# Altium PCB PCB_Vega.PcbDoc (part 2 of 2)
Units mil, origin at the board's own origin, x right, y up, seen from the top; angles counter-clockwise.
Board outline 3630 x 3944 mil, 2 copper layers (Top Layer, Bottom Layer); 154 components, 98 nets, 540 pads, 592 vias.
Unrouted connection lines stored in the file: 2.
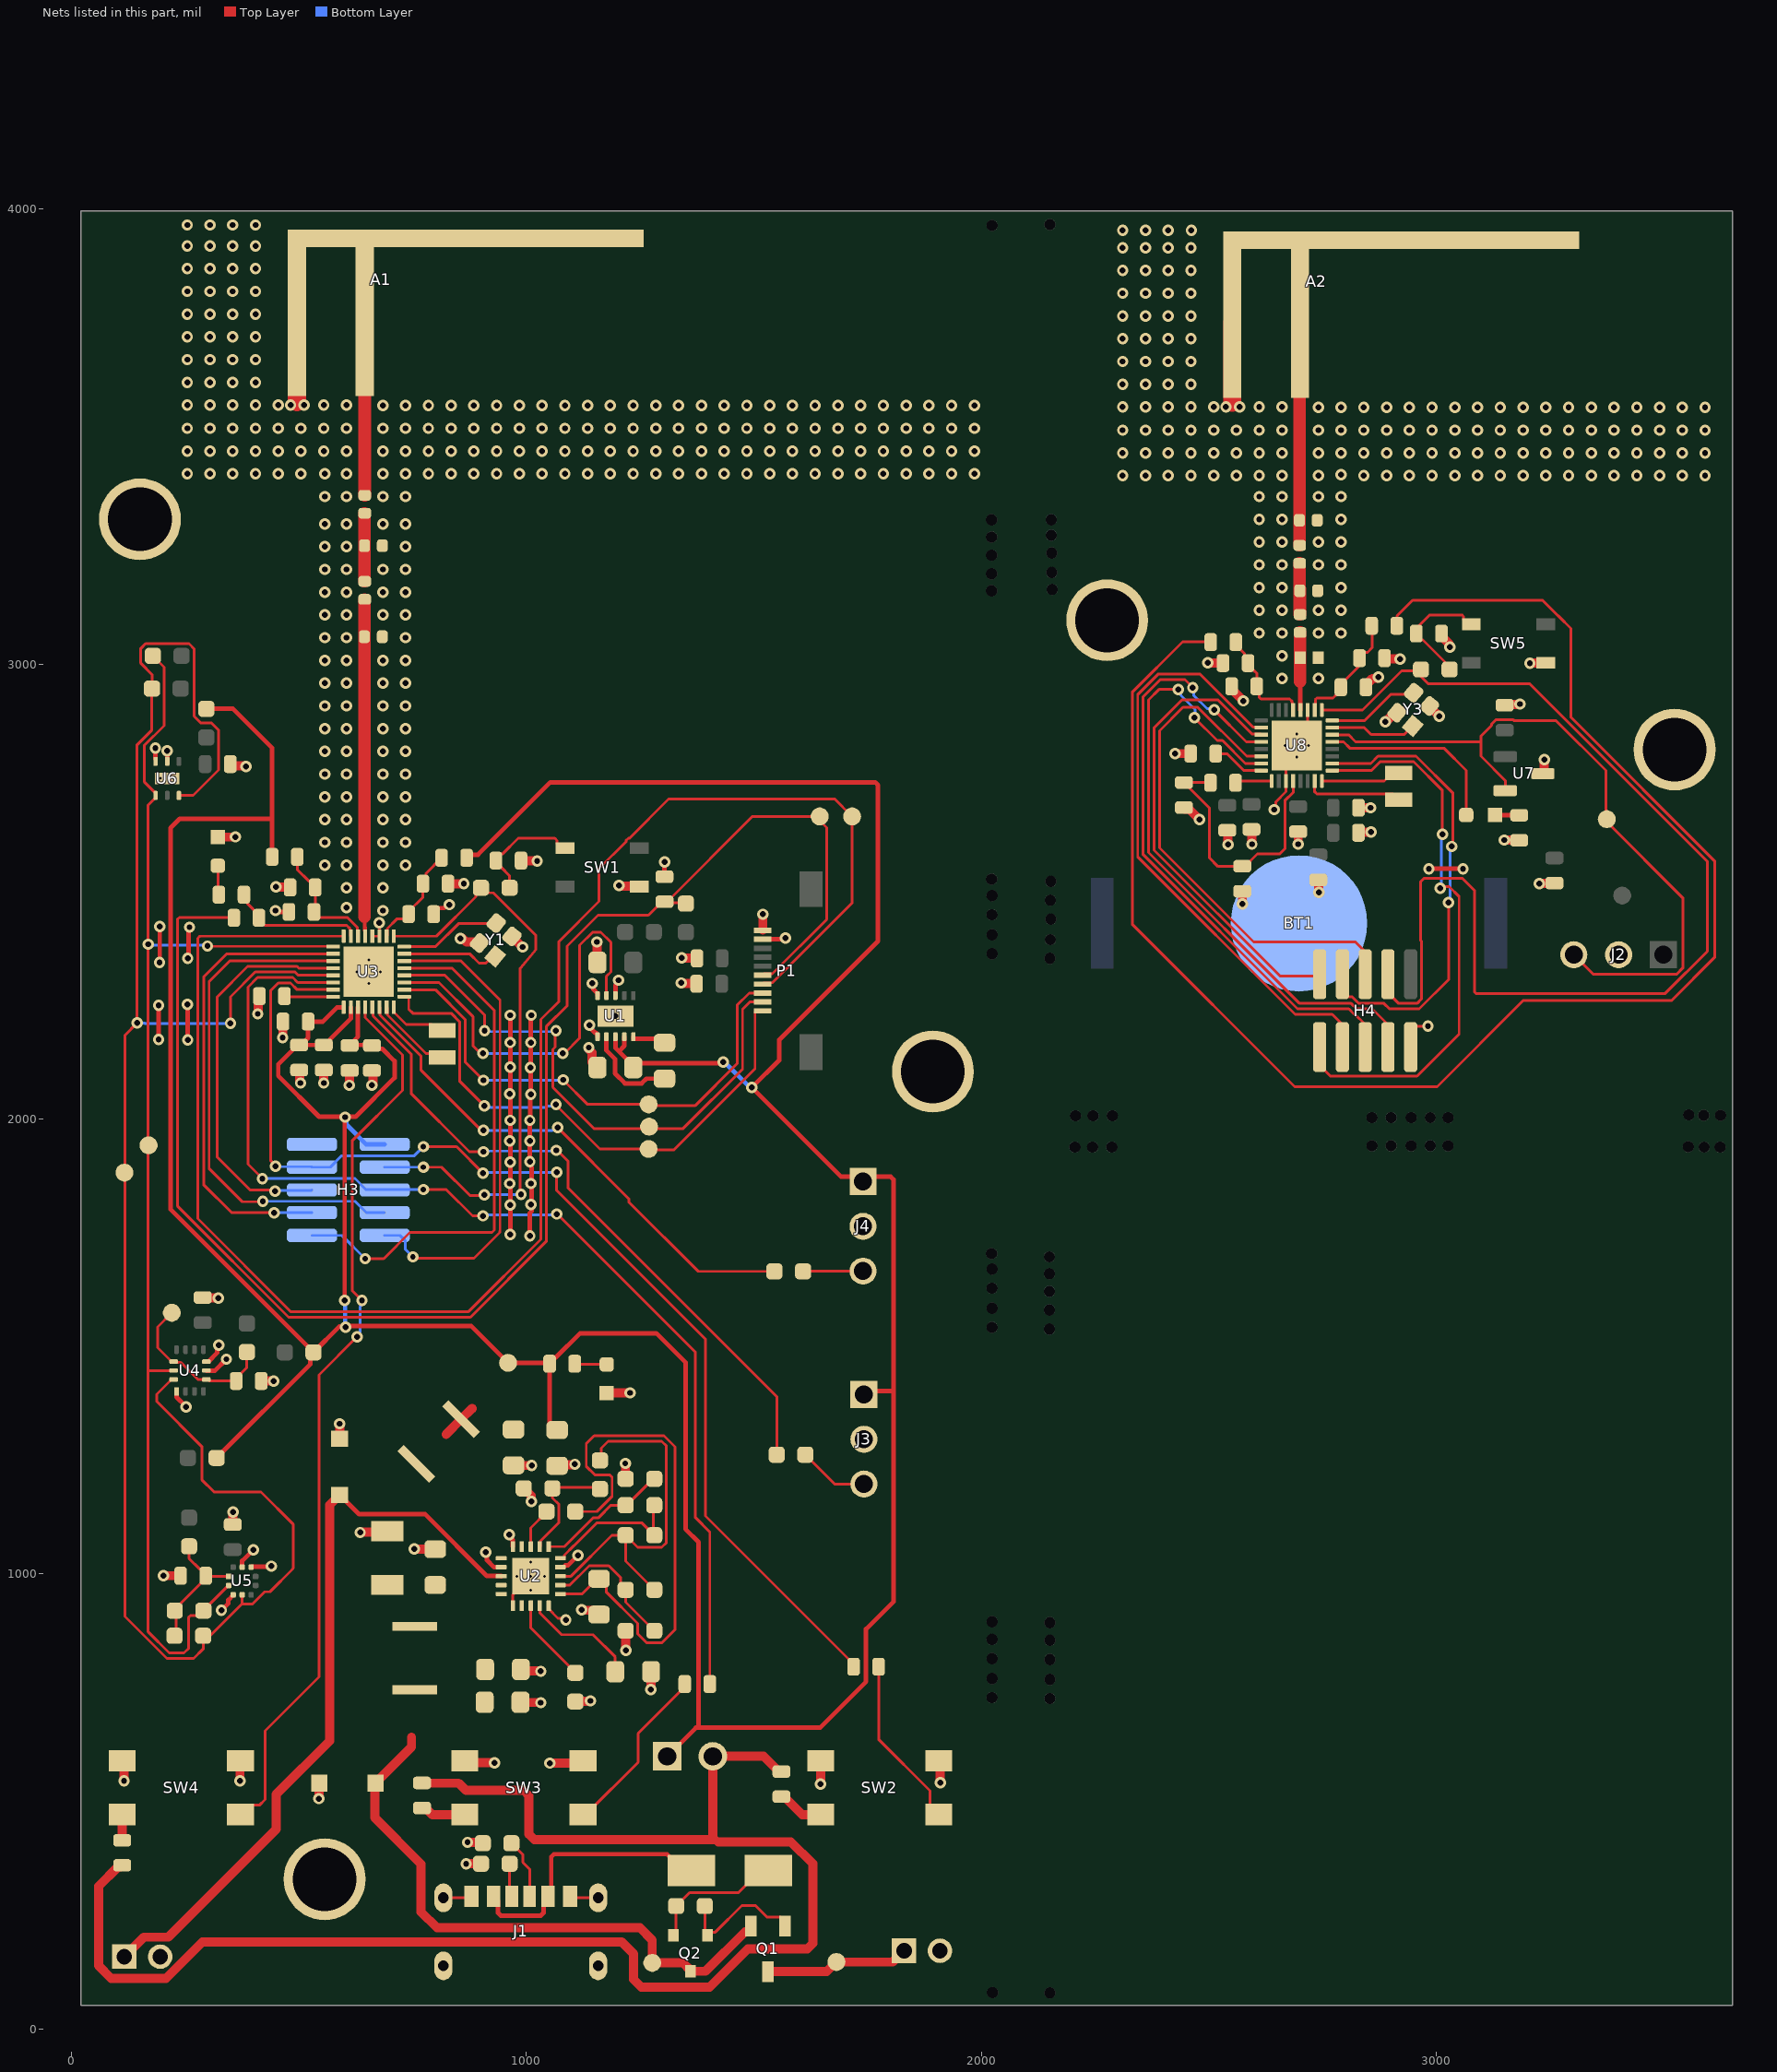
[diagram p2: the nets of this part, all layers, seen from the top]

## Via types
v1: diameter 25, hole 13, Top Layer to Bottom Layer, tented both sides, 571 vias
v2: diameter 10, hole 6, Top Layer to Bottom Layer, tented both sides, 13 vias
v3: diameter 25, hole 12, Top Layer to Bottom Layer, tented both sides, 6 vias
v4: diameter 9.84, hole 5.91, Top Layer to Bottom Layer, tented both sides, 2 vias

## Nets (pads, with @x,y where several pads share a name; then routed paths per layer and width w, separated by ;. In a path a pad name is that pad's centre, name@x,y a point inside that pad or via, vN(x,y) a via of type N, cw(c..) or ccw(c..) an arc to the next point about the centre after c; other vN are vias at no path point) (continued)
GND: A1.GND A2.GND BT1.N C1.1 C2.1 C4.1 C5.1 C6.1 C7.1 C8.1 C9.1 C10.1 C11.2 C12.2 C13.2 C14.2 C15.2 C16.2 C17.2 C18.2 C19.2 C20.2 C21.2 C22.2 C23.2 C24.2 C25.1 C26.2 C27.1 C28.2 C29.1 C30.1 C31.1 C32.1 C33.1 C34.2 C35.2 C36.2 C37.2 C38.2 C39.2 C41.2 C42.2 C43.1 C44.1 C45.2 C46.2 C47.2 C48.2 C49.2 C50.2 C51.2 D2.2 D3.2 H1.2 H2.2 H3.2 H4.2 H5.1 H6.1 H7.1 H8.1 H10.1 J1.A12 J1.B12 J1.S1 J1.S2 J1.S3 J1.S4 J2.2 J3.2 J4.2 LED2.C LED3.C P1.9 P1.10 R2.2 R3.2 R4.1 R10.2 R11.2 R12.2 R27.1 R32.2 SW1.4 SW2.3 SW2.4 SW3.3 SW3.4 SW4.3 SW4.4 SW5.4 U1.3 U1.5 U1.6 U1.11 U2.1 U2.5 U2.9 U2.15 U2.17 U2.21 U3.11 U3.12 U3.33 U4.1 U4.6 U4.7 U5.3 U5.8 U5.9 U6.2 U6.3 U6.7 U7.3 U8.11 U8.27 U8.33 Y1.2 Y1.4 Y3.2 Y3.4 | length 5608.4
  Top Layer w6: U3.33@653.85,2323.63 U3.33@661.72,2331.5 ; U3.12@661.72,2401.78 677,2401.78 677.32,2402.1 677.32,2431.06 v1(677.17,2431.21) ; J1.S1@817.92,288.11 876.58,288.11 J1.B12@879.73,291.26 ; U2.1@970.63,930.08 970.63,954.17 972.65,956.19 972.65,957.68 U2.21@987.91,972.95 ; U2.5@1049.37,930.04 1049.37,922.95 1069.69,902.64 1083.36,902.64 v1(1087,899) ; J1.A12@1096.27,291.26 1099.42,288.11 J1.S2@1158.08,288.11 ; C39.2@2444.56,2683.44 C39.2@2445.56,2684.44 ; C38.2@2573,2499.44 C38.2@2574,2500.44 ; v1(2644,2680) 2647.64,2683.64 2647.64,2696.76 2670.06,2719.19 U8.27@2670.06,2742.7 2670.06,2797.23 U8.33@2693.68,2820.85 ; v1@2659.84,3216 v1@2660.5,3215.34 ; v1@2660.84,3265 v1@2661,3265.16 ; v1@2661,3314.84 v1@2661.16,3315 ; v1@2663,3017.32 v1@2664.32,3016 ; U8.11@2718.64,2900.33 U8.11@2717.31,2899 2717.31,2848.41 U8.33@2719.27,2846.44 ; C44.1@2738.84,3160 C44.1@2739.5,3159.34 ; H4.2@2944,2158 2944,2192.2 2955.18,2203.38 2981.38,2203.38 v1(2982,2204) ; C51.2@3259.28,2517.72 C51.2@3260,2518.44
  Top Layer w10: SW4.4@112.08,589.06 SW4.4@116,585.13 ; v1(185,2815) 185.33,2814.67 U6.3@185.33,2790.84 ; v1(192,2175) v1(192,2250) ; v1(194,2344) 194.5,2344.5 v1(194.5,2423) ; U6.2@211,2786 v1(211,2809) ; U4.1@231.47,1401.23 231.47,1388.41 252,1367.88 v1(252,1367) ; v1(255.68,2251.5) 255.84,2251.34 255.84,2173.69 v1@255.75,2173.6 ; v1(256,2353) 258,2355 258,2419.5 v1(260,2421.5) ; U4.6@296.93,1447 316,1447 v1(341,1472) ; U4.7@296.93,1466.68 301.35,1466.68 320.36,1485.7 320.36,1499.36 v1(324,1503) ; v1(330,920) 345.2,935.2 345.2,942.69 356,953.49 U5.3@356,953.98 ; SW4.3@371,588.13 SW4.3@371.92,589.06 ; U5.9@375.68,1015 375.68,1028.68 v1(400,1053) ; U5.8@395.37,1015 396.37,1016 439,1016 v1(440,1017) ; v1(449,2458) 451.87,2455.13 477.31,2455.13 C18.2@480.44,2452 ; C20.2@501,2107.44 C20.2@502.5,2105.94 ; v1@502.5,2080.5 v1(504,2079) ; C24.2@606,2107.44 C24.2@611.5,2101.94 ; v1(611,2074) v1@611.5,2074.5 ; C23.2@655,2107.44 C23.2@663,2099.44 ; v1(661,2074) v1@663,2076 ; C16.2@796.56,2450 796.56,2455.62 804.46,2463.52 819.46,2463.52 826.94,2471 v1(831,2471) ; SW3.4@865.08,589.06 SW3.4@869.13,585 ; v1(911,1048) 913.87,1045.13 913.87,1030.13 929.28,1014.72 U2.17@945.04,1014.72 ; v1(963,1086) 963,1081.94 970.35,1074.59 970.35,1066.81 970.63,1066.54 U2.15@970.63,1060 ; v1@964.5,1746.5 965,1747 v1(965,1811) v1(965,1905) v1@965,1996 ; v1(965,1997) v1(965,2114) v1(965,2168) v1(965,2228) ; v1(1008,1743) 1008,1793.4 1012,1797.4 1012,1810.5 v1(1010.5,1812) ; v1(1008,1997) v1@1009,1996 ; v1(1010.5,1858) 1012,1856.5 v1@1012,1812 ; v1(1011,2228) 1009.5,2226.5 1009.5,2054 1009,2053.5 v1@1009,1996 ; v1@1012,1858 1012,1893.17 1008,1897.17 v1(1008,1906) v1(1008,1952) 1008,1990.07 1010.93,1993 1012,1993 v1@1009,1996 ; U2.9@1081.77,1015 1085.46,1018.69 1091.67,1018.69 v1(1113.49,1040.51) ; SW3.3@1119.87,584 SW3.3@1124.92,589.06 ; v1@1137.55,2152.91 v1(1137.55,2156.97) ; v1(1138.86,2206) 1141.73,2203.13 1141.73,2198.89 1151.25,2189.38 1152.74,2189.38 1156.63,2185.49 U1.6@1156.63,2180.72 ; C2.1@1144.93,2124.7 C2.1@1156.63,2113 ; v1(1145,2298) 1147.87,2295.13 1147.87,2284.8 1156.63,2276.04 U1.5@1156.63,2271.28 U1.5@1156.71,2271.2 ; v1(1155,2389) v1@1155.82,2388.18 ; C1.1@1155.82,2344.81 C1.1@1156.63,2344 ; U1.11@1180.25,2226 v1(1196,2226) ; U1.3@1196,2271.28 1196,2293.94 1203,2300.94 v1(1203,2305) ; R10.2@1218.5,1209 R10.2@1219.25,1209.75 ; C30.1@1304,2532.56 v1(1304,2565) ; v1(1341,2299) v1@1342,2298 ; v1(1342,2354) v1@1342.5,2353.5 ; C31.1@1373.44,2298 C31.1@1374.44,2297 ; C32.1@1374.5,2353.5 C32.1@1375,2354 ; P1.9@1519.54,2394.9 1562.84,2394.9 1563.07,2395.13 1563.13,2395.13 v1@1570,2402 ; P1.10@1519.54,2414.58 P1.10@1520,2415.04 ; SW2.4@1647,588.98 SW2.4@1647.08,589.06 ; SW2.3@1906.92,589.06 SW2.3@1910,585.98 ; v1(2498,3003) v1@2498.5,3002.5 ; C36.2@2530.94,3002.5 C36.2@2531.44,3002 ; C41.2@2541,2634.44 C41.2@2542,2633.44 ; v1@2542,2604 v1(2543,2603) ; C37.2@2550.44,2944.83 C37.2@2550.44,2951 ; v1(2576,2919) v1@2576,2919.27 ; C42.2@2594,2636.44 C42.2@2594.5,2635.94 ; v1@2594.5,2604.5 v1(2595,2604) ; C35.2@2845.56,2949 C35.2@2845.56,2953.88 ; v1@2870.13,2968.13 v1(2873,2971) ; C34.2@2886.56,3013 C34.2@2888.56,3011 ; v1(2984,2550) v1(3059,2550) ; C33.1@3150.56,2909.56 C33.1@3150.84,2909.28
  Top Layer w20: v1(116,545) SW4.4@116,585.13 ; v1(203,996) C26.2@240.44,996 ; C28.2@289,1607.56 289.78,1606.78 322.22,1606.78 v1(323,1606) ; LED3.C@322,2619.5 322.25,2619.75 360.75,2619.75 v1(361,2620) ; C29.1@352.34,2785.96 352.34,2776.96 353.34,2775.96 383.04,2775.96 v1(384,2775) ; C27.1@355,1108.56 355.5,1109.06 355.5,1135.5 v1(356,1136) ; v1(371,545) SW4.3@371,588.13 ; v1(410,2231) 410.96,2231.96 410.96,2267.52 C22.2@413.44,2270 ; C25.1@417.56,1424 v1(445,1424) ; v1(450,2510) 480,2510 C17.2@481,2509 C17.2@482,2510 ; v1(464.73,2179.11) 465.08,2179.47 465.08,2218.92 C19.2@465,2219 ; v1@502.5,2080.5 C20.2@502.5,2105.94 ; v1(544,506) 544.5,506.5 544.5,539.5 D3.2@544.99,540 ; v1(555,2079) C21.2@555,2107.44 ; D2.2@590,1297.01 v1(590,1330) ; v1@611.5,2074.5 C24.2@611.5,2101.94 ; v1(635,1091) 635.96,1091.96 692.96,1091.96 R32.2@695,1094 ; v1@663,2076 C23.2@663,2099.44 ; v1(754,1055) 754.31,1054.69 800.68,1054.69 C4.1@801,1054.37 ; C15.2@828.12,2517 v1(863,2517) ; v1(855,2397) 860.14,2397 868.39,2388.75 895.25,2388.75 Y1.4@897.31,2386.69 ; v1(868,363) R2.2@900.5,363 ; SW3.4@869.13,585 v1(930,585) ; v1(871,410) 902.31,410 R3.2@902.5,409.81 ; Y1.2@968.69,2401.31 968.69,2401.19 991.88,2378 v1(992,2378) ; C7.1@972,1238.63 972.31,1238.32 1011.68,1238.32 v1(1012,1238) ; C6.1@987.37,718 987.87,717.5 1031.5,717.5 v1(1032,717) ; C5.1@988.37,790 991.41,786.96 1031.04,786.96 v1(1032,786) ; C11.2@988.56,2568 989.06,2567.5 1023.5,2567.5 v1(1024,2567) ; R12.2@995,1187.5 1010.69,1171.81 1010.69,1159.96 v1(1011.65,1159) ; v1(1052,584) SW3.3@1119.87,584 ; C8.1@1070,1239.63 1070.41,1240.04 1106.04,1240.04 v1(1107,1241) ; R4.1@1110,718.5 1111.54,720.04 1140.04,720.04 v1(1141,721) ; v1(1122,921) 1122.96,920.04 1150.59,920.04 C10.1@1160,910.63 ; v1@1137.55,2152.91 1144.93,2145.52 C2.1@1144.93,2124.7 ; C1.1@1155.82,2344.81 v1@1155.82,2388.18 ; LED2.C@1177,1397.5 1177.25,1397.75 1227.75,1397.75 v1(1228,1398) ; v1(1204,2513) 1204.96,2512.04 1247.33,2512.04 SW1.4@1248.69,2510.68 ; v3(1218,1243) 1218.25,1242.75 1218.25,1210.75 R10.2@1219.25,1209.75 ; R11.2@1218.5,875 1218.75,874.75 1218.75,832.25 v1(1219,832) ; v1(1274,746) 1274.19,746.19 1274.19,784.82 C9.1@1274.37,785 ; v1@1342,2298 C31.1@1373.44,2298 ; v1@1342.5,2353.5 C32.1@1374.5,2353.5 ; P1.10@1520,2415.04 v1(1520,2450) ; v1(1647,538) SW2.4@1647,588.98 ; v1(1910,541) SW2.3@1910,585.98 ; v1(2426,2803) C50.2@2460.44,2803 ; C39.2@2444.56,2683.44 2447.34,2680.66 2457.34,2680.66 v1(2480,2658) ; v1@2498.5,3002.5 C36.2@2530.94,3002.5 ; v1@2542,2604 C41.2@2542,2633.44 ; C37.2@2550.44,2944.83 v1@2576,2919.27 ; C38.2@2573,2499.44 2574,2498.44 v1(2574,2473) ; v1@2594.5,2604.5 C42.2@2594.5,2635.94 ; C47.2@2696.56,2631.44 2696.78,2631.22 2696.78,2604.22 v1(2697,2604) ; C46.2@2741.78,2525.44 2741.5,2525.16 2741.5,2498.5 v1(2742,2498) ; C48.2@2829.12,2629 2830.16,2630.04 2856.04,2630.04 v1(2857,2631) ; C49.2@2829.12,2684 v1(2856,2684) ; C35.2@2845.56,2953.88 2859.81,2968.13 v1@2870.13,2968.13 ; v1(2888,2873) 2889.35,2873 2912.56,2896.2 Y3.4@2914.07,2896.2 ; C34.2@2888.56,3011 v1(2921,3011) ; Y3.2@2982.76,2909.24 v1(3007,2885) ; C14.2@3013.28,3057.31 3015.34,3057.31 3029.04,3043.61 3029.04,3037.96 v1(3030,3037) ; v1(3150,2613) 3150.28,2612.72 3182.28,2612.72 R27.1@3182.56,2612.44 ; C33.1@3151.12,2909 3153.16,2911.04 3183.04,2911.04 v1(3184,2912) ; v1(3206,3002) 3206.34,3002.34 3240.35,3002.34 SW5.4@3240.69,3002.68 ; v1(3227,2517) 3227.72,2517.72 C51.2@3259.28,2517.72 ; U7.3@3234.9,2760 3235.23,2760 3237.04,2761.81 3237.04,2789.04 v1(3238,2790)
  Top Layer w40: 496,3576 A1.GND@496,3754.5 ; 2552,3575 A2.GND@2552,3750.5
  other v1: 965,1746 964,1858 964,1952 1010,2054 964,2055 1009,2113 1010,2168 256,2174 1570,2398 685,2458 605,2464.5 605,2508 685,2508 557.3,2558 605,2558 685,2558 735,2558 557.3,2608 605,2608 685,2608 735,2608 557.3,2658 605,2658 685,2658 735,2658 557.3,2708 605,2708 685,2708 735,2708 557.3,2758 605,2758 685,2758 735,2758 557.3,2808 605,2808 685,2808 735,2808 557.3,2858 605,2858 685,2858 735,2858 557.3,2908 605,2908 685,2908 735,2908 557.3,2958 605,2958 685,2958 735,2958 2661,2968 2741,2968 557.3,3008 605,3008 685,3008 735,3008 2661,3018 557.3,3058 605,3058 735,3058 2611,3068 2661,3068 2741,3068 2791,3068 557.3,3108 605,3108 685,3108 735,3108 2611,3118 2661,3118 2741,3118 2791,3118 557.3,3158 605,3158 685,3158 735,3158 2611,3168 2661,3168 2791,3168 557.3,3208 605,3208 685,3208 735,3208 2611,3218 2661,3218 2741,3218 2791,3218 557.3,3258 605,3258 735,3258 2611,3268 2661,3268 2741,3268 2791,3268 557.3,3308 605,3308 685,3308 735,3308 2611,3318 2661,3318 2791,3318 557.3,3368 605,3368 685,3368 735,3368 2611,3368 2661,3368 2741,3368 2791,3368 2311,3414 2361,3414 2411,3414 2461,3414 2511,3414 2561,3414 2611,3414 2661,3414 2741,3414 2841,3414 2891,3414 2941,3414 2991,3414 3041,3414 3091,3414 3141,3414 3191,3414 3241,3414 3291,3414 3341,3414 3391,3414 3441,3414 3491,3414 3541,3414 3591,3414 2791,3416 255,3418 305,3418 355,3418 405,3418 455,3418 505,3418 557.3,3418 605,3418 685,3418 735,3418 785,3418 835,3418 885,3418 935,3418 985,3418 1035,3418 1085,3418 1135,3418 1185,3418 1235,3418 1285,3418 1335,3418 1385,3418 1435,3418 1485,3418 1535,3418 1585,3418 1635,3418 1685,3418 1735,3418 1785,3418 1835,3418 1885,3418 1935,3418 1985,3418 2311,3464 2361,3464 2411,3464 2461,3464 2511,3464 2561,3464 2611,3464 2661,3464 2741,3464 2791,3464 2841,3464 2891,3464 2941,3464 2991,3464 3041,3464 3091,3464 3141,3464 3191,3464 3241,3464 3291,3464 3341,3464 3391,3464 3441,3464 3491,3464 3541,3464 3591,3464 255,3468 305,3468 355,3468 405,3468 455,3468 505,3468 555,3468 605,3468 685,3468 735,3468 785,3468 835,3468 885,3468 935,3468 985,3468 1035,3468 1085,3468 1135,3468 1185,3468 1235,3468 1285,3468 1335,3468 1385,3468 1435,3468 1485,3468 1535,3468 1585,3468 1635,3468 1685,3468 1735,3468 1785,3468 1835,3468 1885,3468 1935,3468 1985,3468 2311,3514 2361,3514 2411,3514 2461,3514 2511,3514 2561,3514 2611,3514 2661,3514 2741,3514 2791,3514 2841,3514 2891,3514 2941,3514 2991,3514 3041,3514 3091,3514 3141,3514 3191,3514 3241,3514 3291,3514 3341,3514 3391,3514 3441,3514 3491,3514 3541,3514 3591,3514 255,3518 305,3518 355,3518 405,3518 455,3518 505,3518 555,3518 605,3518 685,3518 735,3518 785,3518 835,3518 885,3518 935,3518 985,3518 1035,3518 1085,3518 1135,3518 1185,3518 1235,3518 1285,3518 1335,3518 1385,3518 1435,3518 1485,3518 1535,3518 1585,3518 1635,3518 1685,3518 1735,3518 1785,3518 1835,3518 1885,3518 1935,3518 1985,3518 2741,3564 2791,3564 2841,3564 2891,3564 2941,3564 2991,3564 3041,3564 3091,3564 3141,3564 3191,3564 3241,3564 3291,3564 3341,3564 3391,3564 3441,3564 3491,3564 3541,3564 3591,3564 2311,3565 2361,3565 2411,3565 2461,3565 2511,3565 2538,3565 2568,3565 2611,3565 2661,3565 685,3568 735,3568 785,3568 835,3568 885,3568 935,3568 985,3568 1035,3568 1085,3568 1135,3568 1185,3568 1235,3568 1285,3568 1335,3568 1385,3568 1435,3568 1485,3568 1535,3568 1585,3568 1635,3568 1685,3568 1735,3568 1785,3568 1835,3568 1885,3568 1935,3568 1985,3568 255,3569 305,3569 355,3569 405,3569 455,3569 482,3569 512,3569 555,3569 605,3569 2311,3615 2361,3615 2411,3615 2461,3615 255,3619 305,3619 355,3619 405,3619 2311,3665 2361,3665 2411,3665 2461,3665 255,3669 305,3669 355,3669 405,3669 2311,3715 2361,3715 2411,3715 2461,3715 255,3719 305,3719 355,3719 405,3719 2311,3765 2361,3765 2411,3765 2461,3765 255,3769 305,3769 355,3769 405,3769 2311,3815 2361,3815 2411,3815 2461,3815 255,3819 305,3819 355,3819 405,3819 2311,3865 2361,3865 2411,3865 2461,3865 255,3869 305,3869 355,3869 405,3869 2311,3915 2361,3915 2411,3915 2461,3915 255,3919 305,3919 355,3919 405,3919 2311,3953 2361,3953 2411,3953 2462,3953 255,3965 305,3965 355,3965 405,3965
  other v2: 1010,964.53 979.49,995.04 1010,995.04 1040.51,995.04 1010,1025.55 653.85,2298.04 628.26,2323.63 679.44,2323.63 653.85,2349.22 2693.68,2795.26 2668.09,2820.85 2719.27,2820.85 2693.68,2846.44
  other v4: 196,2748.6 226,2748.6
I2C0_SCK: R19.2 R20.1 TP_SCK.TP U3.17 U4.13 U5.2 U6.4 | length 2958.6
  Top Layer w6: R20.1@179.5,3018 204.22,2993.28 204.22,2864.63 160.2,2820.61 160.2,2741.32 185.41,2716.12 U6.4@185.41,2711.2 185.41,2706.28 169,2689.87 169,1448 ; U4.13@225.07,1447 170,1447 169,1448 ; v1(299.5,2380.08) 300.17,2379.41 575.04,2379.41 U3.17@575.7,2378.75 ; U5.2@346.16,974.65 345.67,974.65 300.12,929.1 289.54,929.1 289.54,921.6 276.23,908.29 261.74,908.29 258.22,904.78 258.22,836.74 247.76,826.28 215.25,826.28 169,872.53 169,1448
  Bottom Layer w6: v1(169,2384) 170.86,2382.14 297.44,2382.14 v1(299.5,2380.08)
I2C0_SDA: R18.2 R21.1 TP_SDA.TP U3.21 U4.14 U5.4 U6.6 | length 4362.9
  Top Layer w6: TP_SDA.TP@117,1882 TP_SDA.TP@118,1883 ; U4.14@225.07,1427.32 220.65,1427.32 188,1394.67 188,1379 287,1280 287,1207 313.95,1180.05 416.95,1180.05 487.5,1109.5 487.5,1012.5 486,1011 486,1009.97 436.68,960.65 425.34,960.65 398.88,934.19 375.68,934.19 ; U6.6@236.59,2711.2 267.79,2711.2 323.72,2767.12 323.72,2854.76 308.48,2870 285.52,2870 270.28,2885.24 270.28,3033.18 258.75,3044.72 163.25,3044.72 152.79,3034.26 152.79,3001.74 177.5,2977.03 R21.1@177.5,2946 176.5,2945 176.5,2853.88 144.04,2821.42 144.04,2211.96 v1(145,2211) 118,2184 118,906.56 210.28,814.28 269.28,814.28 289.99,834.99 R18.2@289.99,864 ; R18.2@294.5,853 375.68,934.19 ; v1(350,2210) 350,2268.42 404.58,2323 491.66,2323 498.9,2315.76 U3.21@575.7,2315.76 ; U5.4@375.68,953.98 375.68,934.19
  Bottom Layer w6: v1(145,2211) 161,2211 162,2210 v1(350,2210)
LFXTAL_I_BG: U3.31 Y2.2 | length 183.1
  Top Layer w6: U3.31@693.22,2245.48 694.55,2244.15 694.55,2229.15 779.99,2143.71 796.76,2143.71 Y2.2@817,2123.47
LFXTAL_O_BG: U3.32 Y2.1 | length 140.3
  Top Layer w6: U3.32@708.97,2245.48 708.97,2234.85 736.29,2207.53 792,2207.53 Y2.1@817,2182.53
NetA1_FEED: A1.FEED R28.2 | length 383.5
  Top Layer w27.56: R28.2@645,3371 A1.FEED@645,3754.5
NetA2_FEED: A2.FEED C40.2 C45.1 | length 487.1
  Top Layer w6: C45.1@2699.68,3315 C45.1@2699.84,3314.84 ; C40.2@2699.84,3260.84 C40.2@2700,3260.69
  Top Layer w27.56: C45.1@2699.68,3315 A2.FEED@2699.68,3747.69 ; C40.2@2699.84,3260.84 C45.1@2699.84,3314.84
NetC3_1: C3.1 U1.7 | length 210.5
  Top Layer w10: U1.7@1176.32,2180.72 1176.32,2150.69 1195,2132 1195,2100.27 1216.89,2078.38 1253.85,2078.38 1264.1,2088.63 C3.1@1304,2088.63
NetC3_2: C3.2 U1.10 | length 77
  Top Layer w10: U1.10@1235.37,2180.72 1235.37,2175.96 1235.45,2175.88 1295.49,2175.88 C3.2@1304,2167.37
NetC9_2: C9.2 U2.4 | length 254.3
  Top Layer w6: U2.4@1029.68,930.04 1030.09,929.64 1030.09,913.91 1077.59,866.41 1146.84,866.41 1195.63,817.62 C9.2@1195.63,785
NetC10_2: C10.2 R5.1 U2.6 | length 1225.4
  Top Layer w6: U2.6@1074.96,955.63 1122.32,955.63 1156.06,989.37 C10.2@1160,989.37 1175.79,973.58 1175.79,960.68 1245.22,891.26 1245.22,868.3 1265.24,848.28 1297.75,848.28 1327,877.53 1327,1279.44 1302.72,1303.72 1149.25,1303.72 1132,1286.47 1132,1236.52 1150.52,1218 1183,1218 1188.72,1212.28 1188.72,1170.25 1155.47,1137 R5.1@1107.5,1137
NetC11_1: C11.1 R14.2 SW1.1 | length 260.2
  Top Layer w6: R14.2@963.5,2508 963.5,2534.72 944.5,2553.72 943.92,2553.72 933.44,2564.2 C11.1@933.44,2568 933.44,2571.8 943.92,2582.28 947.72,2582.28 982.44,2617 1063,2617 1067.81,2612.19 1067.81,2605.32 1077.81,2595.32 SW1.1@1085.31,2595.32
NetC12_1: C12.1 L3.1 U3.13 | length 735.9
  Top Layer w6: 644.68,2444.32 645.98,2443.02 ; L3.1@644.84,3142.16 L3.1@645,3142.31
  Top Layer w8.66: 644.68,2444.32 U3.13@645.98,2401.78
  Top Layer w27.56: C12.1@644.32,3060 L3.1@644.32,3141.63 ; 644.68,2444.32 C12.1@644.68,3054
NetC13_1: C13.1 L3.2 R28.1 | length 149.9
  Top Layer w6: L3.2@644.84,3181.84 L3.2@645,3181.69 ; C13.1@644.84,3264.84 644.68,3265 C13.1@644.84,3265.16 ; R28.1@644.84,3331.16 R28.1@645,3331.31